# Altium PCB waffling80-MXHS.PcbDoc (part 3 of 4)
Units mm, origin at the board's own origin, x right, y up, seen from the top; angles counter-clockwise.
Board outline 343.71 x 124.25 mm, 2 copper layers (Component Side, Bottom Layer), stack 1.171 mm thick; 236 components, 142 nets, 2180 pads, 184 vias.
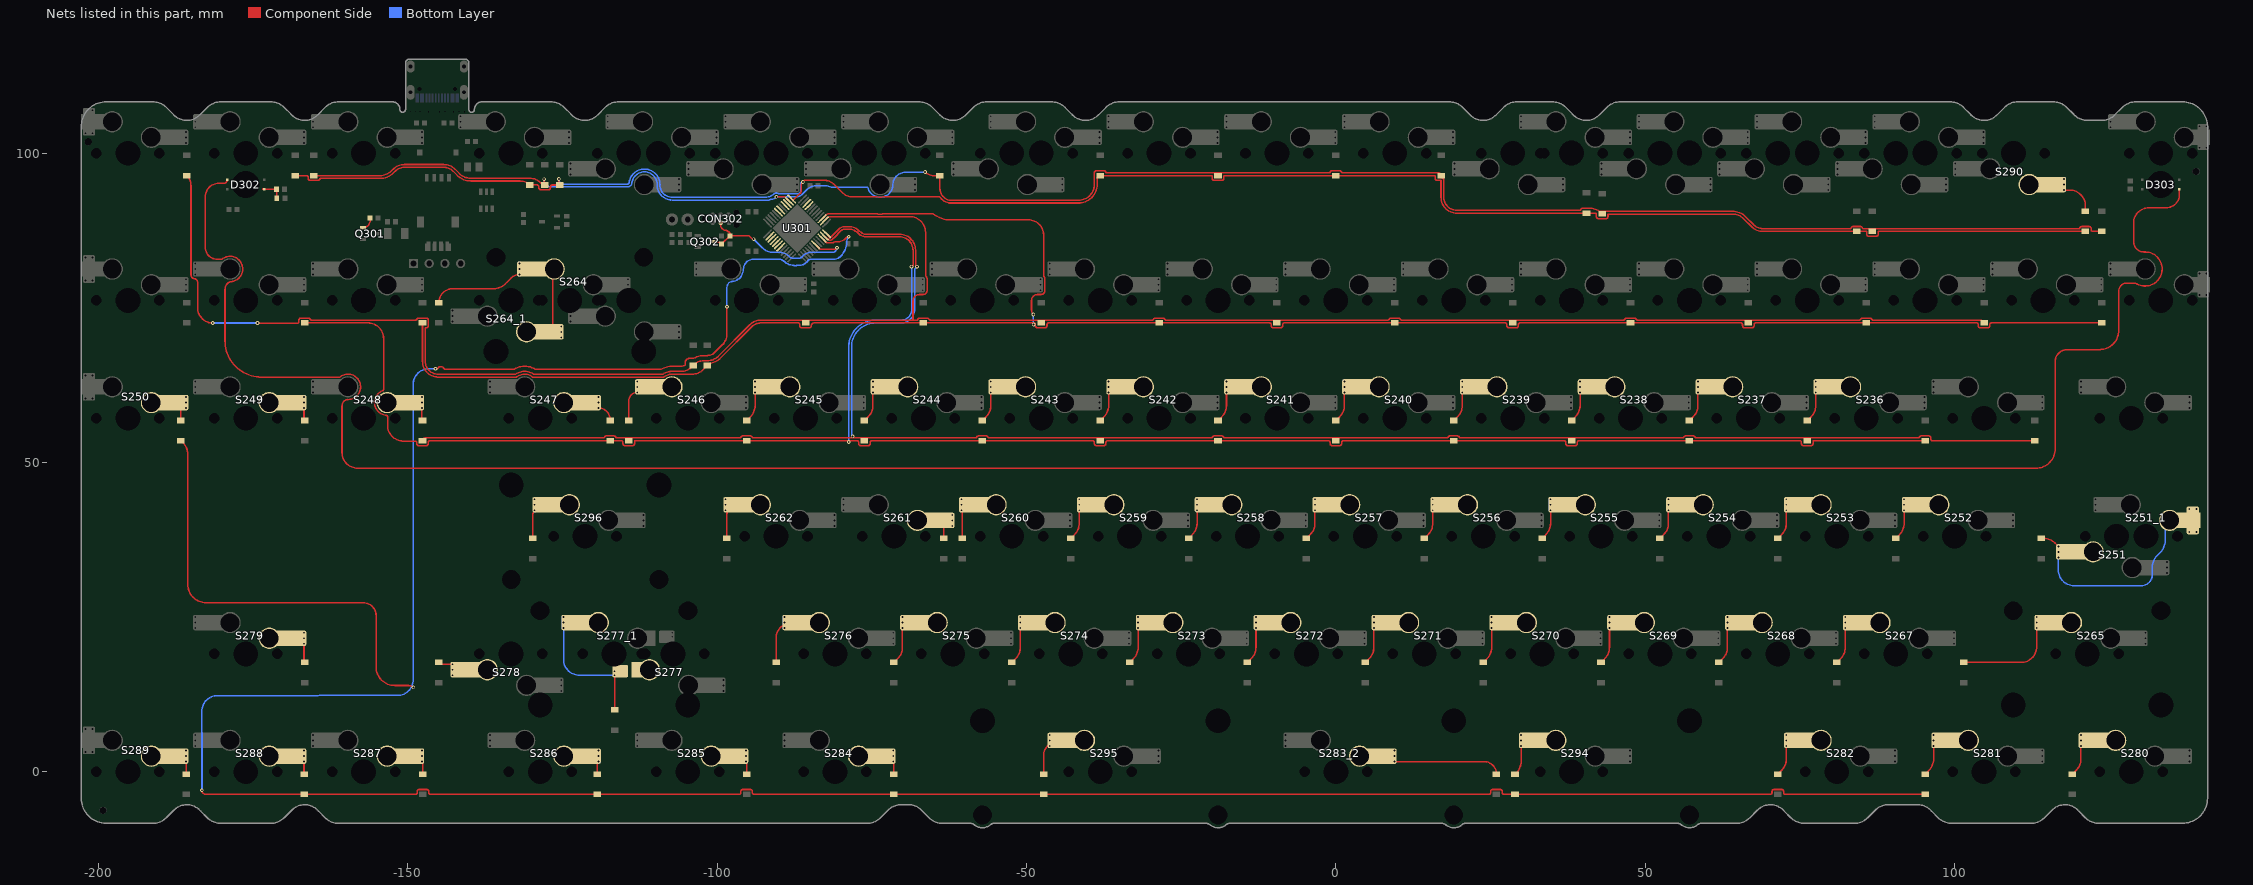
[diagram p3: the nets of this part, all layers, seen from the top]

## Via types
v1: diameter 0.6, hole 0.3, Component Side to Bottom Layer, tented both sides, 158 vias
v2: diameter 0.6, hole 0.3, Component Side to Bottom Layer, tented bottom, 25 vias
v3: diameter 1, hole 0.5, Component Side to Bottom Layer, tented both sides, 1 vias

## Nets (pads, with @x,y where several pads share a name; then routed paths per layer and width w, separated by ;. In a path a pad name is that pad's centre, name@x,y a point inside that pad or via, vN(x,y) a via of type N, cw(c..) or ccw(c..) an arc to the next point about the centre after c; other vN are vias at no path point) (continued)
NetD236_1: D236.1 S236.2 | length 6.8
  Component Side w0.254: D236.1@76.199,56.785 76.831,57.416 ccw(c75.035,59.212) 77.575,59.212 S236.2@77.575,61.34
  Bottom Layer w0.6: S236.2@77.575,61.34 S236.2@77.575,62.229 S236.2@77.575,63.118
NetD237_1: D237.1 S237.2 | length 6.8
  Component Side w0.254: D237.1@57.149,56.785 57.781,57.416 ccw(c55.985,59.212) 58.525,59.212 S237.2@58.525,61.34
  Bottom Layer w0.6: S237.2@58.525,61.34 S237.2@58.525,62.229 S237.2@58.525,63.118
NetD238_1: D238.1 S238.2 | length 6.8
  Component Side w0.254: D238.1@38.099,56.785 38.731,57.416 ccw(c36.935,59.212) 39.475,59.212 S238.2@39.475,61.34
  Bottom Layer w0.6: S238.2@39.475,61.34 S238.2@39.475,62.229 S238.2@39.475,63.118
NetD239_1: D239.1 S239.2 | length 6.8
  Component Side w0.254: D239.1@19.049,56.785 19.681,57.416 ccw(c17.885,59.212) 20.425,59.212 S239.2@20.425,61.34
  Bottom Layer w0.6: S239.2@20.425,61.34 S239.2@20.425,62.229 S239.2@20.425,63.118
NetD240_1: D240.1 S240.2 | length 6.8
  Component Side w0.254: D240.1@-0.001,56.785 0.631,57.416 ccw(c-1.165,59.212) 1.375,59.212 S240.2@1.375,61.34
  Bottom Layer w0.6: S240.2@1.375,61.34 S240.2@1.375,62.229 S240.2@1.375,63.118
NetD241_1: D241.1 S241.2 | length 6.8
  Component Side w0.254: D241.1@-19.051,56.785 -18.419,57.416 ccw(c-20.215,59.212) -17.675,59.212 S241.2@-17.675,61.34
  Bottom Layer w0.6: S241.2@-17.675,61.34 S241.2@-17.675,62.229 S241.2@-17.675,63.118
NetD242_1: D242.1 S242.2 | length 6.8
  Component Side w0.254: D242.1@-38.101,56.785 -37.469,57.416 ccw(c-39.265,59.212) -36.725,59.212 S242.2@-36.725,61.34
  Bottom Layer w0.6: S242.2@-36.725,61.34 S242.2@-36.725,62.229 S242.2@-36.725,63.118
NetD243_1: D243.1 S243.2 | length 6.8
  Component Side w0.254: D243.1@-57.151,56.785 -56.519,57.416 ccw(c-58.315,59.212) -55.775,59.212 S243.2@-55.775,61.34
  Bottom Layer w0.6: S243.2@-55.775,61.34 S243.2@-55.775,62.229 S243.2@-55.775,63.118
NetD244_1: D244.1 S244.2 | length 6.8
  Component Side w0.254: D244.1@-76.201,56.785 -75.569,57.416 ccw(c-77.365,59.212) -74.825,59.212 S244.2@-74.825,61.34
  Bottom Layer w0.6: S244.2@-74.825,61.34 S244.2@-74.825,62.229 S244.2@-74.825,63.118
NetD245_1: D245.1 S245.2 | length 6.8
  Component Side w0.254: D245.1@-95.251,56.785 -94.619,57.416 ccw(c-96.415,59.212) -93.875,59.212 S245.2@-93.875,61.34
  Bottom Layer w0.6: S245.2@-93.875,61.34 S245.2@-93.875,62.229 S245.2@-93.875,63.118
NetD246_1: D246.1 S246.2 | length 7.1
  Component Side w0.254: D246.1@-114.301,56.785 -114.301,59.965 cw(c-112.925,59.965) S246.2@-112.925,61.34
  Bottom Layer w0.6: S246.2@-112.925,61.34 S246.2@-112.925,62.229 S246.2@-112.925,63.118
NetD247_1: D247.1 S247.2 | length 4.9
  Component Side w0.254: S247.2@-119.168,58.8 cw(c-119.168,56.933) -117.3,56.933 D247.1@-117.3,56.785
  Bottom Layer w0.6: S247.2@-119.168,58.8 S247.2@-119.168,59.689 S247.2@-119.168,60.578
NetD248_1: D248.1 S248.2 | length 3.9
  Component Side w0.254: S248.2@-147.743,58.8 -147.743,56.785 D248.1@-147.637,56.785
  Bottom Layer w0.6: S248.2@-147.743,58.8 S248.2@-147.743,59.689 S248.2@-147.743,60.578
NetD249_1: D249.1 S249.2 | length 3.9
  Component Side w0.254: S249.2@-166.793,58.8 -166.793,56.785 D249.1@-166.688,56.785
  Bottom Layer w0.6: S249.2@-166.793,58.8 S249.2@-166.793,59.689 S249.2@-166.793,60.578
NetD250_1: D250.1 S250.2 | length 5.3
  Component Side w0.254: S250.2@-187.702,59.689 cw(c-187.702,58.677) -186.69,58.677 D250.1@-186.69,56.785
  Bottom Layer w0.6: S250.2@-185.843,58.8 S250.2@-185.843,59.689 S250.2@-185.843,60.578
NetD251_1: D251.1 S251.1 S251_1.2 | length 36.6
  Component Side w0.254: D251.1@114,37.735 114.447,37.735 cw(c114.447,35.195) 116.243,36.991 S251.1@116.786,36.448
  Bottom Layer w0.254: S251.1@116.786,34.67 116.786,32.639 ccw(c119.326,32.639) 119.326,30.099 130.203,30.099 ccw(c130.203,31.878) 131.981,31.878 131.981,33.139 cw(c134.521,33.139) 132.725,34.935 133.304,35.514 ccw(c131.508,37.31) 134.048,37.31 134.048,38.875 cw(c136.543,38.875) S251_1.2@134.779,40.639
  Bottom Layer w0.6: S251.1@116.786,34.67 S251.1@116.786,35.559 S251.1@116.786,36.448 ; S251_1.2@137.94,38.78 S251_1.2@139.118,38.78 ; S251_1.2@137.94,42.499 S251_1.2@139.118,42.499
NetD252_1: D252.1 S252.2 | length 6.8
  Component Side w0.254: D252.1@90.487,37.735 91.119,38.367 ccw(c89.323,40.163) 91.863,40.163 S252.2@91.863,42.29
  Bottom Layer w0.6: S252.2@91.863,42.29 S252.2@91.863,43.179 S252.2@91.863,44.068
NetD253_1: D253.1 S253.2 | length 6.8
  Component Side w0.254: D253.1@71.437,37.735 72.069,38.367 ccw(c70.273,40.163) 72.813,40.163 S253.2@72.813,42.29
  Bottom Layer w0.6: S253.2@72.813,42.29 S253.2@72.813,43.179 S253.2@72.813,44.068
NetD254_1: D254.1 S254.2 | length 6.8
  Component Side w0.254: D254.1@52.387,37.735 53.019,38.367 ccw(c51.223,40.163) 53.763,40.163 S254.2@53.763,42.29
  Bottom Layer w0.6: S254.2@53.763,42.29 S254.2@53.763,43.179 S254.2@53.763,44.068
NetD255_1: D255.1 S255.2 | length 6.8
  Component Side w0.254: D255.1@33.337,37.735 33.969,38.367 ccw(c32.173,40.163) 34.713,40.163 S255.2@34.713,42.29
  Bottom Layer w0.6: S255.2@34.713,42.29 S255.2@34.713,43.179 S255.2@34.713,44.068
NetD256_1: D256.1 S256.2 | length 7.6
  Component Side w0.254: D256.1@14.287,37.735 14.919,38.367 ccw(c13.123,40.163) 15.663,40.163 S256.2@15.663,42.29
  Bottom Layer w0.254: S256.2@20.706,42.614 S256.2@21.273,43.179
  Bottom Layer w0.6: S256.2@15.663,42.29 S256.2@15.663,43.179 S256.2@15.663,44.068
NetD257_1: D257.1 S257.2 | length 6.8
  Component Side w0.254: D257.1@-4.763,37.735 -4.131,38.367 ccw(c-5.927,40.163) -3.387,40.163 S257.2@-3.387,42.29
  Bottom Layer w0.6: S257.2@-3.387,42.29 S257.2@-3.387,43.179 S257.2@-3.387,44.068
NetD258_1: D258.1 S258.2 | length 6.8
  Component Side w0.254: D258.1@-23.813,37.735 -23.181,38.367 ccw(c-24.977,40.163) -22.437,40.163 S258.2@-22.437,42.29
  Bottom Layer w0.6: S258.2@-22.437,42.29 S258.2@-22.437,43.179 S258.2@-22.437,44.068
NetD259_1: D259.1 S259.2 | length 6.8
  Component Side w0.254: D259.1@-42.863,37.735 -42.231,38.367 ccw(c-44.027,40.163) -41.487,40.163 S259.2@-41.487,42.29
  Bottom Layer w0.6: S259.2@-41.487,42.29 S259.2@-41.487,43.179 S259.2@-41.487,44.068
NetD260_1: D260.1 S260.2 | length 6.4
  Component Side w0.254: S260.2@-60.537,42.29 cw(c-60.838,41.99) -60.413,41.99 D260.1@-60.413,37.735
  Bottom Layer w0.6: S260.2@-60.537,42.29 S260.2@-60.537,43.179 S260.2@-60.537,44.068
NetD261_1: D261.1 S261.2 | length 4.8
  Component Side w0.254: S261.2@-63.877,40.639 cw(c-64.999,39.518) -63.413,39.518 D261.1@-63.413,37.735
  Bottom Layer w0.6: S261.2@-62.018,39.75 S261.2@-62.018,40.639 S261.2@-62.018,41.528
NetD262_1: D262.1 S262.2 | length 7.4
  Component Side w0.254: D262.1@-98.431,37.735 -98.431,41.506 cw(c-96.064,41.506) S262.2@-97.738,43.179
  Bottom Layer w0.6: S262.2@-98.637,42.29 S262.2@-98.637,43.179 S262.2@-98.637,44.068
NetD264_1: D264.1 S264.2 S264_1.2 | length 29.2
  Component Side w0.254: D264.1@-145,75.835 cw(c-142.73,75.835) -142.73,78.105 -136.084,78.105 ccw(c-136.084,80.645) -134.288,78.849 -133.999,79.139 -133.292,79.845 cw(c-131.975,78.528) S264.2@-131.975,80.39 ; S264.2@-126.365,81.279 ccw(c-126.365,81.026) -126.619,81.026 -126.619,71.638 ccw(c-126.1,71.638) S264_1.2@-126.1,71.119
  Bottom Layer w0.6: S264.2@-131.975,80.39 S264.2@-131.975,81.279 S264.2@-131.975,82.168 ; S264_1.2@-125.2,70.23 S264_1.2@-125.2,71.119 S264_1.2@-125.2,72.008
NetD265_1: D265.1 S265.1 | length 18
  Component Side w0.254: D265.1@101.514,17.685 110.754,17.685 ccw(c110.754,20.225) 113.294,20.225 S265.1@113.294,23.24
  Bottom Layer w0.6: S265.1@113.294,23.24 S265.1@113.294,24.129 S265.1@113.294,25.018
NetD267_1: D267.1 S267.2 | length 7.8
  Component Side w0.254: D267.1@80.962,17.685 81.594,18.316 ccw(c79.798,20.112) 82.338,20.112 S267.2@82.338,23.24
  Bottom Layer w0.6: S267.2@82.338,23.24 S267.2@82.338,24.129 S267.2@82.338,25.018
NetD268_1: D268.1 S268.2 | length 7.8
  Component Side w0.254: D268.1@61.912,17.685 62.544,18.316 ccw(c60.748,20.112) 63.288,20.112 S268.2@63.288,23.24
  Bottom Layer w0.6: S268.2@63.288,23.24 S268.2@63.288,24.129 S268.2@63.288,25.018
NetD269_1: D269.1 S269.2 | length 7.8
  Component Side w0.254: D269.1@42.862,17.685 43.494,18.316 ccw(c41.698,20.112) 44.238,20.112 S269.2@44.238,23.24
  Bottom Layer w0.6: S269.2@44.238,23.24 S269.2@44.238,24.129 S269.2@44.238,25.018
NetD270_1: D270.1 S270.2 | length 7.8
  Component Side w0.254: D270.1@23.812,17.685 24.444,18.316 ccw(c22.648,20.112) 25.188,20.112 S270.2@25.188,23.24
  Bottom Layer w0.6: S270.2@25.188,23.24 S270.2@25.188,24.129 S270.2@25.188,25.018
NetD271_1: D271.1 S271.2 | length 7.8
  Component Side w0.254: D271.1@4.762,17.685 5.394,18.316 ccw(c3.598,20.112) 6.138,20.112 S271.2@6.138,23.24
  Bottom Layer w0.6: S271.2@6.138,23.24 S271.2@6.138,24.129 S271.2@6.138,25.018
NetD272_1: D272.1 S272.2 | length 7.8
  Component Side w0.254: D272.1@-14.288,17.685 -13.656,18.316 ccw(c-15.452,20.112) -12.912,20.112 S272.2@-12.912,23.24
  Bottom Layer w0.6: S272.2@-12.912,23.24 S272.2@-12.912,24.129 S272.2@-12.912,25.018
NetD273_1: D273.1 S273.2 | length 7.8
  Component Side w0.254: D273.1@-33.338,17.685 -32.706,18.316 ccw(c-34.502,20.112) -31.962,20.112 S273.2@-31.962,23.24
  Bottom Layer w0.6: S273.2@-31.962,23.24 S273.2@-31.962,24.129 S273.2@-31.962,25.018
NetD274_1: D274.1 S274.2 | length 7.8
  Component Side w0.254: D274.1@-52.388,17.685 -51.756,18.317 ccw(c-53.552,20.113) -51.012,20.113 S274.2@-51.012,23.24
  Bottom Layer w0.6: S274.2@-51.012,23.24 S274.2@-51.012,24.129 S274.2@-51.012,25.018
NetD275_1: D275.1 S275.2 | length 7.8
  Component Side w0.254: D275.1@-71.438,17.685 -70.806,18.316 ccw(c-72.602,20.112) -70.062,20.112 S275.2@-70.062,23.24
  Bottom Layer w0.6: S275.2@-70.062,23.24 S275.2@-70.062,24.129 S275.2@-70.062,25.018
NetD276_1: D276.1 S276.2 | length 14.1
  Component Side w0.254: D276.1@-90.488,17.685 -90.488,21.59 cw(c-87.948,21.59) -87.948,24.13 S276.2@-83.502,24.129
  Bottom Layer w0.6: S276.2@-89.112,23.24 S276.2@-89.112,24.129 S276.2@-89.112,25.018
NetD277_1: D277.1 S277.2 S277_1.1 | length 22.8
  Component Side w0.254: D277.1@-116.586,10.017 -116.576,10.027 S277.2@-116.576,15.62 S277.2@-116.586,15.611
  Bottom Layer w0.254: S277_1.1@-124.832,23.241 -124.831,18.16 ccw(c-122.291,18.16) -122.291,15.62 S277.2@-116.576,15.62
  Bottom Layer w0.6: S277_1.1@-124.832,23.241 S277_1.1@-124.832,24.13 S277_1.1@-124.832,25.019 ; S277.2@-116.576,15.62 S277.2@-116.576,16.254
NetD278_1: D278.1 S278.2 | length 4.2
  Component Side w0.254: D278.1@-145,17.685 ccw(c-144.713,17.685) -144.713,17.398 S278.2@-142.77,17.398
  Bottom Layer w0.6: S278.2@-142.77,15.62 S278.2@-142.77,16.509 S278.2@-142.77,17.398
NetD279_1: D279.1 S279.2 | length 4.9
  Component Side w0.254: S279.2@-166.793,20.7 -166.793,17.79 ccw(c-166.688,17.79) D279.1@-166.688,17.685
  Bottom Layer w0.6: S279.2@-166.793,20.7 S279.2@-166.793,21.589 S279.2@-166.793,22.478
NetD280_1: D280.1 S280.2 | length 6.8
  Component Side w0.254: D280.1@119.062,-0.365 119.693,0.266 ccw(c117.897,2.062) 120.437,2.062 S280.2@120.437,4.19
  Bottom Layer w0.6: S280.2@120.437,4.19 S280.2@120.437,5.079 S280.2@120.437,5.968
NetD281_1: D281.1 S281.2 | length 6.8
  Component Side w0.254: D281.1@95.25,-0.365 95.881,0.266 ccw(c94.085,2.062) 96.625,2.062 S281.2@96.625,4.19
  Bottom Layer w0.6: S281.2@96.625,4.19 S281.2@96.625,5.079 S281.2@96.625,5.968
NetD282_1: D282.1 S282.2 | length 6.8
  Component Side w0.254: D282.1@71.437,-0.365 72.069,0.267 ccw(c70.273,2.063) 72.813,2.063 S282.2@72.813,4.19
  Bottom Layer w0.6: S282.2@72.813,4.19 S282.2@72.813,5.079 S282.2@72.813,5.968
NetD283_1: D283.1 S283_2.1 | length 19.4
  Component Side w0.254: S283_2.1@9.452,1.65 23.941,1.65 cw(c23.941,-0.365) D283.1@25.956,-0.365
  Bottom Layer w0.6: S283_2.1@9.452,1.65 S283_2.1@9.452,2.539 S283_2.1@9.452,3.428
NetD284_1: D284.1 S284.1 | length 3.8
  Component Side w0.254: S284.1@-71.543,1.65 cw(c-71.658,1.536) -71.496,1.536 D284.1@-71.496,-0.365
  Bottom Layer w0.6: S284.1@-71.543,1.65 S284.1@-71.543,2.539 S284.1@-71.543,3.428
NetD285_1: D285.1 S285.1 | length 3.8
  Component Side w0.254: S285.1@-95.355,1.65 cw(c-95.623,1.383) -95.245,1.383 D285.1@-95.245,-0.365
  Bottom Layer w0.6: S285.1@-95.355,1.65 S285.1@-95.355,2.539 S285.1@-95.355,3.428
NetD286_1: D286.1 S286.1 | length 3.8
  Component Side w0.254: D286.1@-119.375,-0.365 -119.375,1.152 cw(c-118.669,1.152) S286.1@-119.168,1.65
  Bottom Layer w0.6: S286.1@-119.168,1.65 S286.1@-119.168,2.539 S286.1@-119.168,3.428
NetD287_1: D287.1 S287.2 | length 3.8
  Component Side w0.254: S287.2@-147.743,1.65 cw(c-148.163,1.23) -147.569,1.23 D287.1@-147.569,-0.365
  Bottom Layer w0.6: S287.2@-147.743,1.65 S287.2@-147.743,2.539 S287.2@-147.743,3.428
NetD288_1: D288.1 S288.2 | length 3.8
  Component Side w0.254: S288.2@-166.793,1.65 -166.793,-0.365 D288.1@-166.746,-0.365
  Bottom Layer w0.6: S288.2@-166.793,1.65 S288.2@-166.793,2.539 S288.2@-166.793,3.428
NetD289_1: D289.1 S289.2 | length 3.8
  Component Side w0.254: S289.2@-185.843,1.65 cw(c-185.956,1.537) -185.796,1.537 D289.1@-185.796,-0.365
  Bottom Layer w0.6: S289.2@-185.843,1.65 S289.2@-185.843,2.539 S289.2@-185.843,3.428
NetD290_1: D290.1 S290.2 | length 7.6
  Component Side w0.254: S290.2@117.688,94.043 118.618,94.043 cw(c118.618,91.503) 121.158,91.503 D290.1@121.158,90.635
  Bottom Layer w0.6: S290.2@117.688,94.043 S290.2@117.688,94.932 S290.2@117.688,95.821
NetD294_1: D294.1 S294.2 | length 6.6
  Component Side w0.254: D294.1@28.956,-0.365 29.206,-0.115 ccw(c27.41,1.681) 29.95,1.681 S294.2@29.95,4.19
  Bottom Layer w0.6: S294.2@29.95,4.19 S294.2@29.95,5.079 S294.2@29.95,5.968
NetD295_1: D295.1 S295.1 | length 12.7
  Component Side w0.254: D295.1@-47.241,-0.365 -47.241,2.54 cw(c-44.701,2.54) -44.701,5.08 S295.1@-40.64,5.079
  Bottom Layer w0.6: S295.1@-46.25,4.19 S295.1@-46.25,5.079 S295.1@-46.25,5.968
NetD296_1: D296.1 S296.2 | length 6.4
  Component Side w0.254: D296.1@-129.789,37.735 -129.789,41.621 cw(c-128.842,41.621) S296.2@-129.511,42.29
  Bottom Layer w0.6: S296.2@-129.511,42.256 -129.511,43.145 S296.2@-129.511,44.034
NetD302_2: D302.2 D303.4 | length 418.4
  Component Side w0.254: D302.2@-179.213,95.683 cw(c-179.773,95.683) -179.773,95.123 -180.594,95.123 ccw(c-180.594,92.964) -182.753,92.964 -182.753,84.761 ccw(c-180.848,84.761) -180.848,82.856 -180.065,82.856 cw(c-178.752,81.279) -179.185,83.285 cw(c-178.752,81.279) -177.834,79.444 cw(c-178.752,81.279) -178.599,79.233 ; -178.601,79.233 ccw(c-178.556,78.658) -178.881,79.135 ccw(c-178.339,78.03) -179.57,78.03 -179.57,69.706 ccw(c-173.67,69.706) -173.67,63.806 -161.015,63.806 ; -178.599,79.233 ccw(c-178.752,81.279) -178.558,79.237 cw(c-178.502,78.662) -178.557,79.237 ccw(c-178.752,81.279) -178.044,79.354 ; -160.919,63.882 cw(c-159.702,62.229) -158.919,60.333 cw(c-159.702,62.229) -158.998,60.302 cw(c-159.702,62.229) -159.824,60.181 ccw(c-159.639,59.182) -160.655,59.182 -160.655,51.62 ccw(c-158.115,51.62) -158.115,49.08 113.157,49.08 ccw(c113.157,52.197) 114.964,49.657 114.965,49.657 114.969,49.661 ccw(c113.157,52.197) 116.274,52.197 116.274,66.294 cw(c118.237,66.294) 116.848,67.681 cw(c118.237,66.294) 117.405,68.072 117.461,68.072 117.505,68.115 cw(c118.237,66.294) 118.237,68.257 123.444,68.257 ccw(c123.444,71.374) 123.865,68.286 ccw(c123.444,71.374) 125.057,68.707 125.077,68.707 125.108,68.739 ccw(c123.444,71.374) 125.358,68.914 ccw(c123.444,71.374) 125.563,69.088 125.566,69.088 125.626,69.148 ccw(c123.444,71.374) 125.67,69.192 ccw(c123.444,71.374) 125.861,69.406 ccw(c123.444,71.374) 126.561,71.374 126.561,77.724 cw(c127.84,77.724) 126.9,78.591 cw(c127.84,77.724) 127.84,79.003 129.264,79.003 ccw(c130.81,81.279) 130.605,84.024 cw(c130.626,85.676) 129.413,84.554 cw(c130.626,85.676) 129.247,84.767 cw(c130.626,85.676) 129.159,84.916 cw(c130.626,85.676) 129.118,85.001 cw(c130.626,85.676) 128.974,85.676 128.974,89.234 cw(c131.445,88.646) 131.445,91.186 134.239,91.186 ccw(c134.239,93.296) 136.349,93.296 D303.4@136.349,94.182
NetD302_4: D302.4 R306.2 R308.1 | length 3.5
  Component Side w0.254: D302.4@-173.213,94.182 R308.1@-171.211,94.182 ; R308.1@-171.211,94.182 -171.196,94.182 R306.2@-171.196,92.71
NetQ301_1: Q301.1 R307.1 | length 2.3
  Component Side w0.254: Q301.1@-157.283,87.945 ccw(c-157.283,89.13) -156.098,89.13 R307.1@-156.098,89.535
NRST: C310.1 CON302.3 Q302.3 R303.2 U301.7 | length 29.3
  Component Side w0.203: U301.7@-83.931,85.02 -83.515,84.604 ccw(c-83.128,84.991) -83.402,84.517 ccw(c-83.128,84.991) -83.128,84.444 -80.91,84.444 v1(-80.645,84.709)
  Component Side w0.254: Q302.3@-100.745,85.725 -100.372,85.577 -99.612,85.577 R303.2@-99.314,85.329 -99.016,85.602 -98.215,86.356 C310.1@-97.917,86.629 ; CON302.3@-99.441,88.773 -99.441,88.397 ccw(c-98.552,88.397) -98.552,87.508 cw(c-98.552,86.873) -98.518,87.507 cw(c-98.532,87.253) -98.356,87.436 ccw(c-97.917,87.884) -98.13,87.294 cw(c-98.218,87.056) -97.995,87.179 cw(c-98.552,86.873) -97.918,86.902 -97.917,86.873 C310.1@-97.917,86.629 ; v1(-94.107,86.106) -94.282,86.106 -94.769,86.593 ccw(c-94.9,86.376) -94.884,86.629 C310.1@-97.917,86.629
  Bottom Layer w0.254: v1(-94.107,86.106) -92.704,84.703 ccw(c-90.908,86.499) -90.908,83.959 -89.914,83.959 cw(c-89.914,81.83) -88.41,83.337 ccw(c-87.581,84.163) -87.649,82.995 cw(c-87.408,82.416) -87.163,82.993 -86.811,82.993 ccw(c-86.811,83.658) -86.341,83.188 ; -86.34,83.19 cw(c-85.932,82.782) -86.338,83.192 -85.994,83.536 cw(c-85.194,82.739) -85.991,83.539 cw(c-84.974,82.522) -84.974,83.959 -81.395,83.959 cw(c-81.278,83.394) -81.343,83.968 ccw(c-81.494,85.344) -81.127,84.009 ccw(c-81.395,84.709) v1(-80.645,84.709)
PA0: D250.2 D281.2 D284.2 D286.2 D288.2 D294.2 D295.2 U301.10 | length 546.6
  Component Side w0.203: v1(-145.542,65.151) -145.241,65.151 ccw(c-145.241,65.255) -145.193,65.163 cw(c-144.653,64.897) -145.136,65.255 -145.136,65.257 -145.129,65.264 cw(c-144.653,64.897) -144.084,65.092 -132.844,65.092 cw(c-131.128,62.229) -129.412,65.092 -109.031,65.092 cw(c-107.315,62.229) -108.76,65.239 cw(c-107.315,62.229) -107.414,65.566 cw(c-107.375,64.281) -107.409,65.566 cw(c-107.315,62.229) -107.24,65.566 -105.854,65.566 ccw(c-105.854,67.275) -105.176,65.707 -105.176,66.13 cw(c-104.471,66.13) -104.471,66.835 -103.777,66.835 cw(c-102.21,64.358) -102.21,67.289 -101.6,67.289 ccw(c-101.6,68.997) -101.557,67.289 cw(c-101.439,66.904) -101.439,67.307 -101.35,67.307 ccw(c-101.6,68.997) -100.392,67.789 ; -100.39,67.791 -99.169,69.012 ccw(c-100.965,70.808) -99.042,69.149 ccw(c-100.965,70.808) -98.425,70.808 v1(-98.425,75.184) ; U301.10@-82.87,86.081 -82.427,85.637 ccw(c-82.079,85.986) -82.079,85.493 -81.273,85.493 cw(c-80.645,84.709) -80.453,85.695 -80.442,85.695 ccw(c-80.442,87.306) -79.303,86.166 ; -79.303,86.167 -79.154,86.315 cw(c-78.74,85.901) v1(-78.74,86.487)
  Component Side w0.254: D250.2@-186.69,53.515 -186.338,53.163 cw(c-188.134,51.367) -185.594,51.367 -185.594,30.338 ccw(c-182.6,30.338) -182.6,27.344 -157.226,27.344 cw(c-157.226,25.258) -155.14,25.258 -155.14,16.955 ccw(c-152.146,16.955) -152.146,13.961 -149.854,13.961 cw(c-149.854,12.925) v1(-149.122,13.658) ; v1(-183.306,-2.986) ccw(c-182.657,-2.986) -182.657,-3.635 D288.2@-166.746,-3.635 -148.76,-3.635 ccw(c-148.76,-3.381) -148.506,-3.381 -148.506,-3.18 cw(c-148.179,-3.18) -148.179,-2.853 -146.958,-2.853 cw(c-146.958,-3.18) -146.631,-3.18 -146.631,-3.381 ccw(c-146.377,-3.381) -146.377,-3.635 D286.2@-119.375,-3.635 -96.436,-3.635 ccw(c-96.436,-3.381) -96.182,-3.381 -96.182,-3.18 cw(c-95.855,-3.18) -95.855,-2.853 -94.634,-2.853 cw(c-94.634,-3.18) -94.307,-3.18 -94.307,-3.381 ccw(c-94.053,-3.381) -94.053,-3.635 D284.2@-71.496,-3.635 D295.2@-47.241,-3.635 24.765,-3.635 ccw(c24.765,-3.381) 25.019,-3.381 25.019,-3.18 cw(c25.346,-3.18) 25.346,-2.853 26.566,-2.853 cw(c26.566,-3.18) 26.893,-3.18 26.893,-3.381 ccw(c27.147,-3.381) 27.147,-3.635 D294.2@28.956,-3.635 70.246,-3.635 ccw(c70.246,-3.381) 70.5,-3.381 70.5,-3.18 cw(c70.827,-3.18) 70.827,-2.853 72.047,-2.853 cw(c72.047,-3.18) 72.374,-3.18 72.374,-3.381 ccw(c72.628,-3.381) 72.628,-3.635 D281.2@95.25,-3.635
  Bottom Layer w0.203: v1(-98.425,75.184) -98.425,78.298 cw(c-97.439,78.298) -97.668,79.257 ccw(c-97.79,81.279) -97.439,79.284 ccw(c-97.79,81.279) -96.665,79.594 ccw(c-97.79,81.279) -95.766,81.193 -95.764,81.194 -95.764,81.25 ccw(c-97.79,81.279) -95.764,81.276 cw(c-94.183,81.25) -94.183,82.831 -89.914,82.831 cw(c-89.914,81.83) -89.205,82.537 ; -89.205,82.536 ccw(c-87.581,84.163) -87.651,81.866 ccw(c-87.408,82.416) -87.168,81.865 -86.811,81.865 ccw(c-86.811,83.658) -86.28,81.945 ccw(c-86.811,83.658) -85.987,82.066 ccw(c-86.811,83.658) -85.922,82.101 ccw(c-86.811,83.658) -85.89,82.12 ccw(c-86.811,83.658) -85.645,82.296 ccw(c-86.811,83.658) -85.545,82.389 ccw(c-86.811,83.658) -85.542,82.391 ccw(c-85.931,82.782) -85.539,82.394 -85.196,82.738 ccw(c-85.585,83.128) -85.194,82.739 ; -85.194,82.74 cw(c-84.974,82.522) -85.192,82.741 cw(c-84.974,82.522) -84.974,82.831 -81.395,82.831 ccw(c-81.395,83.959) -81.195,82.849 ccw(c-81.494,85.344) -80.253,83.159 ccw(c-80.526,83.637) -80.135,83.249 -79.984,83.4 ccw(c-82.169,85.587) -79.077,85.587 -79.077,85.672 cw(c-77.925,85.672) v1(-78.74,86.487)
  Bottom Layer w0.254: v1(-183.306,-2.986) ccw(c-183.364,-2.928) -183.282,-2.928 -183.282,6.228 ccw(c-183.735,6.228) -183.297,6.347 cw(c-183.052,6.412) -183.306,6.41 -183.306,9.779 cw(c-180.766,9.779) -180.766,12.319 -164.719,12.319 ccw(c-164.719,14.859) -164.341,12.347 -151.692,12.347 ccw(c-151.692,14.887) -149.152,14.887 -149.152,62.611 cw(c-146.612,62.611) -146.612,65.151 v1(-145.542,65.151)
PA1: D232.2 D235.2 D237.2 D239.2 D241.2 D243.2 D245.2 D247.2 U301.11 | length 343.9
  Component Side w0.203: U301.11@-82.517,86.434 cw(c-82.517,85.817) -82.444,86.43 -82.076,86.062 ccw(c-81.757,86.381) -82.065,86.052 ccw(c-81.757,86.381) -81.757,85.93 ccw(c-81.757,86.45) -81.731,85.93 ccw(c-81.708,86.333) -81.708,85.93 ccw(c-81.708,86.333) -81.656,85.933 ccw(c-81.708,86.333) -81.425,86.046 ccw(c-81.708,86.333) -81.423,86.048 -81.289,86.182 -81.037,86.434 -80.045,87.426 ; -77.187,87.031 ccw(c-75.843,88.374) -77.186,87.03 cw(c-78.145,86.072) -77.185,87.029 cw(c-75.843,88.374) -77.188,87.031 -77.289,87.133 ccw(c-78.74,85.685) -78.74,87.735 -79.283,87.735 ccw(c-79.283,86.642) -80.037,87.433 cw(c-80.314,87.726) -80.043,87.428 ; -76.297,86.529 cw(c-75.843,88.374) -76.393,86.555 cw(c-75.843,88.374) -77.185,87.028 ccw(c-75.843,88.374) -75.843,86.474 -70.485,86.474 cw(c-70.485,84.337) -68.354,84.488 cw(c-70.485,84.337) -68.348,84.337 -68.348,81.893 v1(-68.58,81.661) ; -80.045,87.426 ccw(c-80.329,87.712) -80.043,87.428 ; -80.045,87.426 -80.043,87.428
  Component Side w0.254: D232.2@-166.688,72.565 -156.47,72.565 cw(c-156.47,70.025) -153.93,70.025 -153.93,61.839 cw(c-154.184,61.84) -154.091,61.604 ccw(c-153.352,59.689) -153.67,57.662 ccw(c-153.352,59.689) -153.521,57.644 cw(c-153.543,57.391) -153.289,57.393 -153.289,56.007 ccw(c-150.749,56.007) -150.749,53.467 -148.829,53.467 cw(c-148.829,53.213) -148.575,53.213 -148.575,53.06 ccw(c-148.248,53.06) -148.248,52.733 -147.027,52.733 ccw(c-147.027,53.06) -146.7,53.06 -146.7,53.271 cw(c-146.446,53.271) -146.446,53.525 -129.18,53.525 cw(c-129.182,53.271) -129.146,53.523 ccw(c-129.042,54.223) -129.044,53.515 ; -129.043,53.515 -128.212,53.515 D247.2@-117.3,53.515 -115.492,53.515 cw(c-115.492,53.261) -115.238,53.261 -115.238,53.06 ccw(c-114.911,53.06) -114.911,52.733 -113.69,52.733 ccw(c-113.69,53.06) -113.363,53.06 -113.363,53.366 cw(c-113.109,53.366) -113.315,53.515 D245.2@-95.251,53.515 -77.392,53.515 cw(c-77.392,53.261) -77.138,53.261 -77.138,53.06 ccw(c-76.811,53.06) -76.811,52.733 -75.59,52.733 ccw(c-75.59,53.06) -75.263,53.06 -75.263,53.261 cw(c-75.009,53.261) -75.009,53.515 D243.2@-57.151,53.515 -39.292,53.515 cw(c-39.292,53.261) -39.038,53.261 -39.038,53.06 ccw(c-38.711,53.06) -38.711,52.733 -37.49,52.733 ccw(c-37.49,53.06) -37.163,53.06 -37.163,53.261 cw(c-36.909,53.261) -36.909,53.515 D241.2@-19.051,53.515 -1.192,53.515 cw(c-1.192,53.261) -0.938,53.261 -0.938,53.06 ccw(c-0.611,53.06) -0.611,52.733 0.61,52.733 ccw(c0.61,53.06) 0.933,53.012 ; 0.933,53.013 ccw(c0.61,53.06) 0.937,53.06 0.937,53.261 cw(c1.191,53.261) 1.191,53.515 D239.2@19.049,53.515 36.908,53.515 cw(c36.908,53.261) 37.162,53.261 37.162,53.06 ccw(c37.489,53.06) 37.489,52.733 38.71,52.733 ccw(c38.71,53.06) 39.029,52.992 ccw(c38.71,53.06) 39.037,53.06 39.037,53.261 cw(c39.291,53.261) 39.291,53.515 D237.2@57.149,53.515 75.008,53.515 cw(c75.008,53.261) 75.262,53.261 75.262,53.06 ccw(c75.589,53.06) 75.589,52.733 76.81,52.733 ccw(c76.81,53.06) 77.133,53.012 ; 77.133,53.013 ccw(c76.81,53.06) 77.137,53.06 77.137,53.359 cw(c77.391,53.359) 77.19,53.515 D235.2@95.249,53.515
  Bottom Layer w0.254: v1(-78.74,53.311) -78.74,68.859 ccw(c-78.987,68.916) -78.734,68.902 cw(c-74.392,68.671) -74.622,73.013 ccw(c-74.637,73.266) -74.58,73.019 -73.43,73.019 -70.244,73.019 cw(c-70.198,72.567) -70.22,73.021 ccw(c-70.3,74.793) -68.528,74.711 cw(c-68.074,74.692) -68.528,74.713 ; v1(-68.58,81.661) -68.526,81.607 -68.526,74.737 ccw(c-68.074,74.691) -68.528,74.714
PA2: D234.2 D236.2 D238.2 D240.2 D242.2 D244.2 D246.2 D248.2 U301.12 | length 318.1
  Component Side w0.203: U301.12@-82.163,86.788 -81.708,86.333 -80.329,87.712 ; -80.328,87.713 cw(c-80.043,87.428) -80.314,87.726 cw(c-79.283,86.642) -80.192,87.831 cw(c-79.283,86.642) -79.283,88.138 -78.74,88.138 cw(c-78.74,85.685) -77.006,87.42 -76.901,87.315 ccw(c-75.843,88.374) -75.843,86.877 -70.485,86.877 cw(c-70.485,84.337) -67.945,84.337 -67.945,81.915 v1(-67.691,81.661)
  Component Side w0.254: D248.2@-147.637,53.515 cw(c-147.173,53.515) -147.173,53.979 -127.801,53.979 -127.801,53.969 -118.432,53.969 ccw(c-118.434,54.223) -118.205,54.112 cw(c-117.911,53.97) -117.911,54.297 -116.69,54.297 cw(c-116.69,53.97) -116.396,54.112 ccw(c-116.167,54.223) -116.169,53.969 -109.021,53.969 ccw(c-109.021,54.223) -108.966,53.975 -99.441,53.975 cw(c-99.441,53.086) -99.349,53.97 ccw(c-99.324,54.223) -99.325,53.969 -96.382,53.969 ccw(c-96.384,54.223) -96.155,54.112 cw(c-95.861,53.97) -95.861,54.297 -94.64,54.297 cw(c-94.64,53.97) -94.346,54.112 ccw(c-94.117,54.223) -94.119,53.969 -58.282,53.969 ccw(c-58.284,54.223) -58.055,54.112 cw(c-57.761,53.97) -57.761,54.297 -56.54,54.297 cw(c-56.54,53.97) -56.246,54.112 ccw(c-56.017,54.223) -56.019,53.969 -20.182,53.969 ccw(c-20.184,54.223) -19.955,54.112 cw(c-19.661,53.97) -19.661,54.297 -18.44,54.297 cw(c-18.44,53.97) -18.146,54.111 ccw(c-17.917,54.223) -17.919,53.969 18.113,53.969 ; 18.112,53.97 cw(c18.439,53.97) 18.439,54.297 19.66,54.297 cw(c19.66,53.97) 19.954,54.112 ccw(c20.183,54.223) 20.181,53.969 56.018,53.969 ccw(c56.016,54.223) 56.245,54.112 cw(c56.539,53.97) 56.539,54.297 57.76,54.297 cw(c57.76,53.97) 58.054,54.112 ccw(c58.283,54.223) 58.281,53.969 94.118,53.969 ccw(c94.116,54.223) 94.345,54.112 cw(c94.639,53.97) 94.639,54.297 95.86,54.297 cw(c95.86,53.97) 96.154,54.111 cw(c95.86,53.97) 96.187,53.97 96.187,53.769 ccw(c96.441,53.769) 96.441,53.515 D234.2@113,53.515
  Bottom Layer w0.254: v1(-78.105,54.229) cw(c-77.668,54.666) -78.286,54.666 -78.286,68.671 cw(c-74.392,68.671) -74.392,72.565 -70.244,72.565 ccw(c-70.244,73.019) -70.199,72.567 ccw(c-70.3,74.793) -70.041,72.58 ccw(c-70.3,74.793) -68.087,74.534 ccw(c-70.3,74.793) -68.074,74.691 ccw(c-68.526,74.737) -68.072,74.737 -68.072,81.28 v1(-67.691,81.661)
PA4: D216.2 D218.2 D220.2 D222.2 D224.2 D226.2 D228.2 D230.2 U301.14 | length 360.5
  Component Side w0.254: D216.2@-185.737,96.377 cw(c-187.362,94.752) -185.065,94.752 -185.065,80.342 ccw(c-184.425,80.342) -184.597,79.726 ccw(c-184.425,80.342) -184.43,79.703 cw(c-184.597,79.12) -183.991,79.12 -183.991,75.047 ccw(c-181.451,75.047) v1@-181.451,72.507 ; v1@-174.244,72.517 -174.234,72.507 -167.879,72.507 ccw(c-167.879,72.761) -167.625,72.761 -167.625,73.02 cw(c-167.298,73.02) -167.584,73.178 cw(c-167.298,73.02) -167.298,73.347 -166.077,73.347 cw(c-166.077,73.02) -165.783,73.162 ccw(c-165.554,73.273) -165.556,73.019 -163.907,73.019 ccw(c-163.907,73.273) -163.905,73.019 -148.829,73.019 cw(c-148.829,72.311) -148.785,73.018 ccw(c-148.771,73.271) -148.543,73.161 cw(c-148.248,73.02) -148.248,73.347 -147.637,73.347 -147.027,73.347 cw(c-147.027,73.02) -146.733,73.161 cw(c-147.027,73.02) -146.7,73.02 -146.7,72.11 cw(c-147.027,72.11) -147.027,71.783 -147.184,71.783 -147.184,66.346 ccw(c-145.097,66.346) -146.641,64.944 -146.614,64.916 -146.614,64.914 ccw(c-145.097,66.346) -145.097,64.26 -132.596,64.26 cw(c-131.128,62.229) -129.66,64.26 -108.783,64.26 cw(c-107.315,62.229) -107.389,64.734 cw(c-107.375,64.281) -107.386,64.734 cw(c-107.315,62.229) -107.25,64.735 -105.854,64.735 ccw(c-105.854,67.275) -104.058,65.479 D230.2@-103.861,65.675 -103.694,65.842 cw(c-102.21,64.358) -102.21,66.457 -101.6,66.457 ccw(c-101.6,68.997) -99.804,67.201 -94.73,72.275 cw(c-92.934,70.479) -92.934,73.019 -68.358,73.019 ; U301.14@-82.517,89.227 ccw(c-82.517,89.997) U301.14@-82.504,89.227 ; U301.14@-82.504,89.227 ccw(c-82.517,89.997) -82.484,89.228 -82.093,89.618 cw(c-81.757,89.28) -81.757,89.757 cw(c-81.757,89.28) -81.675,89.75 -81.668,89.757 -78.046,89.757 -77.5,89.757 ccw(c-77.497,90.211) -77.498,89.757 ; -77.497,89.757 ccw(c-77.493,90.665) -77.491,89.757 -74.416,89.757 ccw(c-73.66,94.932) -72.905,89.757 -68.866,89.757 cw(c-68.866,87.217) -66.326,87.217 -66.326,80.183 cw(c-66.718,79.677) -66.078,79.677 -66.078,77.802 cw(c-66.718,77.802) -66.265,77.35 cw(c-66.718,77.802) -66.266,77.349 cw(c-66.718,77.802) -66.718,77.162 -67.31,77.162 ccw(c-67.31,76.114) -68.358,76.114 -68.358,73.019 ; -67.613,73.019 -68.358,73.019 ; -67.613,73.02 cw(c-67.286,73.02) -67.286,73.347 -66.065,73.347 cw(c-66.065,73.02) -65.774,73.168 ccw(c-65.548,73.285) -65.549,73.031 -51.402,73.031 cw(c-51.402,72.777) -51.325,73.019 -29.707,73.019 ccw(c-29.709,73.273) -29.48,73.162 cw(c-29.186,73.02) -29.186,73.347 -27.965,73.347 cw(c-27.965,73.02) -27.671,73.162 ccw(c-27.442,73.273) -27.444,73.019 8.393,73.019 ccw(c8.391,73.273) 8.62,73.162 cw(c8.914,73.02) 8.914,73.347 10.135,73.347 cw(c10.135,73.02) 10.429,73.162 ccw(c10.658,73.273) 10.656,73.019 46.493,73.019 ccw(c46.491,73.273) 46.72,73.162 cw(c47.014,73.02) 47.014,73.347 48.235,73.347 cw(c48.235,73.02) 48.529,73.162 ccw(c48.758,73.273) 48.756,73.019 84.593,73.019 ccw(c84.591,73.273) 84.82,73.162 cw(c85.114,73.02) 85.114,73.347 86.335,73.347 cw(c86.335,73.02) 86.629,73.162 ccw(c86.858,73.273) 86.856,73.019 104.321,73.019 D218.2@104.774,72.565
  Bottom Layer w0.254: v1(-181.542,72.551) v1(-174.325,72.551)
PA5: D217.2 D219.2 D221.2 D223.2 D225.2 D227.2 D229.2 D231.2 U301.15 | length 342.5
  Component Side w0.254: D231.2@-147.637,72.565 -147.637,66.346 ccw(c-145.097,66.346) -145.097,63.806 -132.441,63.806 cw(c-131.128,62.229) -132.346,63.881 cw(c-131.128,62.229) -129.815,63.806 -108.628,63.806 cw(c-107.315,62.229) -108.614,63.818 cw(c-107.315,62.229) -107.882,64.202 cw(c-107.315,62.229) -107.375,64.281 cw(c-107.315,62.229) -107.315,64.281 cw(c-107.315,62.229) -107.256,64.281 -103.929,64.281 ccw(c-103.927,64.735) -103.926,64.281 ccw(c-103.927,64.735) -103.841,64.289 ccw(c-104.046,66.821) -102.25,65.025 D229.2@-101.6,65.675 -101.427,65.675 -101.047,66.055 ccw(c-101.6,68.997) -100.328,66.287 ccw(c-101.6,68.997) -99.482,66.881 -94.41,71.953 cw(c-92.934,70.479) -94.271,72.08 cw(c-92.934,70.479) -93.956,72.298 cw(c-92.934,70.479) -92.934,72.565 -86.917,72.565 cw(c-86.917,72.311) -86.663,72.311 -86.663,72.11 ccw(c-86.336,72.11) -86.336,71.783 -85.115,71.783 ccw(c-85.115,72.11) -84.795,72.044 ccw(c-85.115,72.11) -84.789,72.107 cw(c-84.331,72.107) -84.331,72.565 D227.2@-66.676,72.565 -48.817,72.565 cw(c-48.817,72.311) -48.563,72.311 -48.563,72.11 ccw(c-48.236,72.11) -48.236,71.783 -47.015,71.783 ccw(c-47.015,72.11) -46.688,72.11 -46.688,72.311 cw(c-46.434,72.311) -46.434,72.565 D225.2@-28.576,72.565 -10.717,72.565 cw(c-10.717,72.311) -10.463,72.311 -10.463,72.11 ccw(c-10.136,72.11) -10.136,71.783 -8.915,71.783 ccw(c-8.915,72.11) -8.596,72.042 ccw(c-8.915,72.11) -8.588,72.11 -8.588,72.311 cw(c-8.334,72.311) -8.334,72.565 D223.2@9.524,72.565 27.383,72.565 cw(c27.383,72.311) 27.637,72.311 27.637,72.11 ccw(c27.964,72.11) 27.964,71.783 29.185,71.783 ccw(c29.185,72.11) 29.512,72.11 29.512,72.311 cw(c29.766,72.311) 29.766,72.565 D221.2@47.624,72.565 65.483,72.565 cw(c65.483,72.311) 65.737,72.311 65.737,72.11 ccw(c66.064,72.11) 66.064,71.783 67.285,71.783 ccw(c67.285,72.11) 67.582,71.974 ccw(c67.285,72.11) 67.612,72.11 67.612,72.311 cw(c67.866,72.311) 67.866,72.565 D219.2@85.724,72.565 103.583,72.565 cw(c103.583,72.311) 103.837,72.311 103.837,72.11 ccw(c104.164,72.11) 104.164,71.783 105.385,71.783 ccw(c105.385,72.11) 105.619,71.882 ccw(c105.385,72.11) 105.712,72.11 105.712,72.311 cw(c105.966,72.311) 105.966,72.565 D217.2@123.824,72.565 ; U301.15@-82.87,89.581 -82.858,89.581 -82.428,90.01 U301.15@-82.408,90.01 ; U301.15@-82.408,90.011 cw(c-81.923,89.525) -81.923,90.211 -77.497,90.211 ccw(c-77.494,90.665) -77.495,90.211 ccw(c-77.493,90.665) -77.491,90.211 -74.382,90.211 ccw(c-73.66,94.932) -72.939,90.211 -65.126,90.211 ccw(c-61.976,94.361) -63.368,89.34 ; -63.368,89.34 ccw(c-63,90.652) -63.366,89.34 ccw(c-62.877,91.089) -63.364,89.339 ccw(c-63.241,89.776) -63.362,89.339 ; -63.359,89.338 ccw(c-62.997,90.651) -63.356,89.337 ccw(c-63.116,90.213) -63.354,89.337 ccw(c-63.234,89.774) -63.353,89.336 ; -63.348,89.335 ccw(c-63.109,90.211) -63.347,89.335 ccw(c-62.989,90.649) -63.345,89.334 ccw(c-63.106,90.21) -63.343,89.334 ; -63.342,89.333 ccw(c-61.976,94.361) -63.34,89.333 ccw(c-63.223,89.771) -63.338,89.332 ccw(c-63.106,90.21) -63.335,89.331 ; -63.335,89.331 ccw(c-62.516,92.402) -62.52,89.224 ccw(c-62.516,92.402) -62.512,89.224 -49.687,89.224 cw(c-49.687,86.781) -47.244,86.781 -47.244,80.157 ccw(c-47.028,80.157) -47.244,80.156 cw(c-47.668,79.677) -47.216,80.13 cw(c-47.668,79.677) -47.215,80.129 cw(c-47.668,79.677) -47.028,79.677 -47.028,77.802 cw(c-47.668,77.802) -47.215,77.35 cw(c-47.668,77.802) -47.216,77.349 cw(c-47.668,77.802) -47.668,77.162 -48.26,77.162 ccw(c-48.26,76.219) -49.203,76.219 -49.203,74.658 ccw(c-48.151,74.658) v1(-48.895,73.914)
  Bottom Layer w0.254: v1(-48.895,73.914) -48.895,72.411 ccw(c-48.766,72.411) v1(-48.857,72.32)
PA9: U301.30
PA10: U301.31
PA15: U301.38
PB3: U301.39
PB4: U301.40
PB5: U301.41
PB6: U301.42
PB7: U301.43
PB10: U301.21
PB11: U301.22
PB12: D203.2 D205.2 D207.2 D209.2 D211.2 D213.2 D215.2 D290.2 U301.25 | length 317.9
  Component Side w0.254: D215.2@-168.188,96.377 -166.379,96.377 cw(c-166.379,96.123) -166.125,96.123 -166.125,95.922 ccw(c-165.798,95.922) -165.798,95.595 -164.578,95.595 ccw(c-164.578,95.922) -164.283,95.78 cw(c-164.055,95.669) -164.056,95.923 -154.484,95.923 ccw(c-154.484,98.917) -152.366,96.801 -152.062,97.105 cw(c-150.586,95.631) -150.586,97.717 -144.181,97.717 cw(c-144.181,95.631) -143.67,97.653 -143.651,97.649 cw(c-144.181,95.631) -142.704,97.104 -141.984,96.384 ccw(c-139.864,98.498) -139.864,95.504 -131.835,95.504 cw(c-131.835,93.336) D213.2@-130.302,94.869 -129.123,94.869 cw(c-129.123,94.572) -128.826,94.572 -128.826,94.41 ccw(c-128.499,94.41) -128.731,94.179 ccw(c-128.499,94.41) -128.73,94.178 ccw(c-128.499,94.41) -128.499,94.083 -127.279,94.083 ccw(c-127.279,94.41) -127.048,94.178 ccw(c-127.279,94.41) -127.047,94.179 ccw(c-127.279,94.41) -126.952,94.41 -126.952,94.57 cw(c-126.657,94.57) -126.657,94.865 D211.2@-125.476,94.865 -125.599,94.988 v1(-125.599,95.818) ; U301.25@-88.138,92.763 -87.767,92.392 -87.737,92.392 -86.735,93.393 ; -86.735,93.394 ccw(c-87.548,94.206) -86.654,93.484 ccw(c-87.038,93.995) -86.586,93.542 ccw(c-87.038,93.995) -86.585,93.543 ccw(c-87.038,93.995) -86.398,93.995 -86.398,94.958 cw(c-85.725,94.958) -85.725,95.631 -82.84,95.631 cw(c-82.84,93.091) -81.044,94.887 -79.836,93.679 ccw(c-78.04,95.475) -78.04,92.935 -74.132,92.935 ccw(c-73.66,94.932) -73.189,92.935 -64.013,92.935 ccw(c-61.976,94.361) -62.637,91.965 ccw(c-62.516,92.402) -62.636,91.964 ; -62.635,91.964 ccw(c-62.516,92.402) -62.517,91.948 ccw(c-62.516,92.402) -62.514,91.948 -41.405,91.948 ccw(c-41.405,92.203) -41.334,91.958 ccw(c-41.578,94.942) -38.584,94.942 -38.584,95.894 cw(c-38.101,95.894) D209.2@-38.101,96.377 -19.988,96.377 -19.988,95.922 ccw(c-19.661,95.922) -19.661,95.595 -18.44,95.595 ccw(c-18.44,95.922) -18.113,95.922 -18.113,96.377 D207.2@-0.001,96.377 15.845,96.377 cw(c15.845,95.595) 16.063,96.346 16.063,95.922 ccw(c16.39,95.922) 16.158,95.691 ccw(c16.39,95.922) 16.159,95.69 ccw(c16.39,95.922) 16.39,95.595 17,95.595 17,92.853 ccw(c19.54,92.853) 19.54,90.313 D205.2@40.513,90.313 42.116,90.313 42.116,89.747 ccw(c42.443,89.747) 42.443,89.42 43.663,89.42 ccw(c43.663,89.747) 43.99,89.747 43.99,90.164 64.105,90.164 cw(c64.105,87.624) 65.901,89.42 67.212,88.109 ccw(c69.008,89.905) 69.008,87.365 D203.2@84.201,87.365 85.804,87.365 85.804,86.91 ccw(c86.131,86.91) 86.131,86.583 87.351,86.583 ccw(c87.351,86.91) 87.678,86.91 87.678,87.365 D290.2@121.158,87.365
  Bottom Layer w0.254: v1(-125.599,95.818) ccw(c-124.786,95.818) -124.786,95.005 -114.525,95.005 ccw(c-114.525,95.297) -114.253,95.193 cw(c-111.76,94.932) -114.234,95.335 -114.234,95.388 cw(c-113.78,95.388) -114.171,95.619 cw(c-111.76,94.932) -109.254,94.932 -109.254,94.869 cw(c-109.708,94.869) -109.257,94.823 cw(c-111.76,94.932) -109.266,94.692 ccw(c-107.286,94.869) -107.286,92.881 -92.209,92.881 ccw(c-92.209,94.923) -90.944,93.32 cw(c-90.445,92.939) -90.765,93.479 ; -90.765,93.479 cw(c-90.445,92.939) -90.039,93.417 -87.107,93.417 ccw(c-87.1,94.043) -87.1,93.417 ccw(c-87.1,94.043) -87.094,93.417 ccw(c-87.1,94.043) -86.903,93.448 ccw(c-87.1,94.043) -86.797,93.495 ccw(c-87.1,94.043) -86.616,93.646 ccw(c-87.1,94.043) -86.473,94.043 -86.473,95.244 cw(c-86.153,94.744) v1(-86.153,95.338)
PB13: D201.2 D202.2 D204.2 D206.2 D208.2 D210.2 D212.2 D214.2 U301.26 | length 318.5
  Component Side w0.254: D214.2@-165.188,96.377 -154.484,96.377 ccw(c-154.484,98.917) -152.688,97.121 -152.382,97.427 cw(c-150.586,95.631) -150.586,98.171 -144.181,98.171 cw(c-144.181,95.631) -142.385,97.427 -141.66,96.702 ccw(c-139.864,98.498) -139.864,95.958 -130.325,95.958 cw(c-130.325,93.418) -128.645,95.323 cw(c-130.325,93.418) -128.529,95.214 -128.372,95.057 -128.372,94.865 D212.2@-127.889,94.865 -127.98,94.956 v1(-127.98,95.802) ; v1@-90.534,92.85 v1(-90.445,92.939) -89.034,92.939 -88.504,92.409 U301.26@-88.492,92.409 ; v1(-66.385,96.945) ccw(c-65.013,98.317) -65.013,96.377 D210.2@-64.008,96.377 -64.008,94.361 ccw(c-61.976,94.361) -62.516,92.402 -41.578,92.402 ccw(c-41.578,94.942) -39.038,94.942 -39.038,96.832 cw(c-38.711,96.832) -38.711,97.159 -37.49,97.159 cw(c-37.49,96.832) -37.163,96.832 ; -37.163,96.831 -0.938,96.831 ; -0.938,96.832 cw(c-0.611,96.832) -0.611,97.159 0.61,97.159 cw(c0.61,96.832) 0.937,96.832 ; 0.937,96.831 16.546,96.831 cw(c16.546,96.377) D206.2@17,96.377 17,96.049 cw(c17,95.595) 17.454,95.595 17.454,92.853 ccw(c19.54,92.853) 19.54,90.767 39.576,90.767 ; 39.576,90.768 cw(c39.903,90.768) 39.903,91.095 41.123,91.095 cw(c41.123,90.768) 41.131,91.095 cw(c41.108,88.555) D204.2@42.59,90.618 ; D204.2@43.053,90.202 42.904,90.351 ccw(c41.108,88.555) D204.2@42.59,90.618 ; 83.264,87.819 69.008,87.819 cw(c69.008,89.905) 67.532,88.431 66.223,89.74 ccw(c64.105,87.624) 64.105,90.618 D204.2@42.59,90.618 ; 83.264,87.82 cw(c83.591,87.82) 83.591,88.147 84.811,88.147 cw(c84.811,87.82) 85.138,87.82 ; 85.138,87.819 120.221,87.819 ; 120.221,87.82 cw(c120.548,87.82) 120.548,88.147 121.768,88.147 cw(c121.768,87.82) 122.095,87.82 122.095,87.48 ccw(c122.428,87.904) 122.428,87.365 D201.2@123.824,87.365
  Bottom Layer w0.254: v1(-127.98,95.802) ccw(c-126.729,95.802) -126.729,94.552 -114.525,94.551 ccw(c-114.525,95.297) -113.805,95.104 ; -72.249,93.443 ccw(c-73.66,94.932) -71.997,93.731 ; v1@-66.294,96.901 -69.569,96.901 ccw(c-69.569,94.861) -71.577,95.222 ccw(c-69.569,94.861) -71.608,94.932 cw(c-73.66,94.932) -71.61,94.861 -71.61,94.675 -71.627,94.658 cw(c-73.66,94.932) -71.997,93.731 ; -113.805,95.104 cw(c-111.76,94.932) -113.78,95.297 ; -113.805,95.104 cw(c-111.76,94.932) -113.78,95.297 ; -113.78,95.297 cw(c-111.76,94.932) -113.756,95.412 ; -113.78,95.297 -113.78,95.388 -113.756,95.412 ; -113.756,95.412 cw(c-111.76,94.932) -109.708,94.932 -109.708,94.869 -109.709,94.868 cw(c-111.76,94.932) -109.722,94.698 ccw(c-107.286,94.869) -107.286,92.427 -91.672,92.427 ccw(c-91.672,94.151) -91.589,92.429 cw(c-91.186,91.948) -91.023,92.553 ccw(c-91.672,94.151) -90.54,92.85 ccw(c-91.672,94.151) -90.453,92.932 v1(-90.445,92.939) cw(c-89.293,91.787) -90.315,93.056 ccw(c-90.039,93.417) -90.129,92.972 ccw(c-90.039,93.417) -90.037,92.963 -87.11,92.963 ccw(c-87.1,94.043) -87.09,92.963 ccw(c-87.094,93.417) -87.087,92.963 ccw(c-87.1,94.043) -86.761,93.017 ccw(c-86.903,93.448) -86.759,93.018 ccw(c-87.1,94.043) -86.578,93.097 ccw(c-86.797,93.495) -86.576,93.098 ccw(c-87.1,94.043) -86.265,93.358 ccw(c-86.616,93.646) -86.264,93.359 -85.519,94.104 cw(c-83.978,92.563) -85.422,94.195 cw(c-83.978,92.563) -84.51,94.676 cw(c-83.978,92.563) -83.978,94.742 -82.254,94.742 ccw(c-81.026,97.472) -81.026,94.479 -79.683,94.479 -75.662,94.479 ccw(c-73.66,94.932) -75.113,93.483 ccw(c-73.66,94.932) -75.11,93.48 ccw(c-73.66,94.932) -73.66,92.881 ccw(c-73.66,94.932) -72.211,93.48 ccw(c-73.66,94.932) -72.208,93.483 ccw(c-73.66,94.932) -71.997,93.731
PB14: U301.27
PB15: U301.28